# KiCad board corne-light.kicad_pcb (continued)
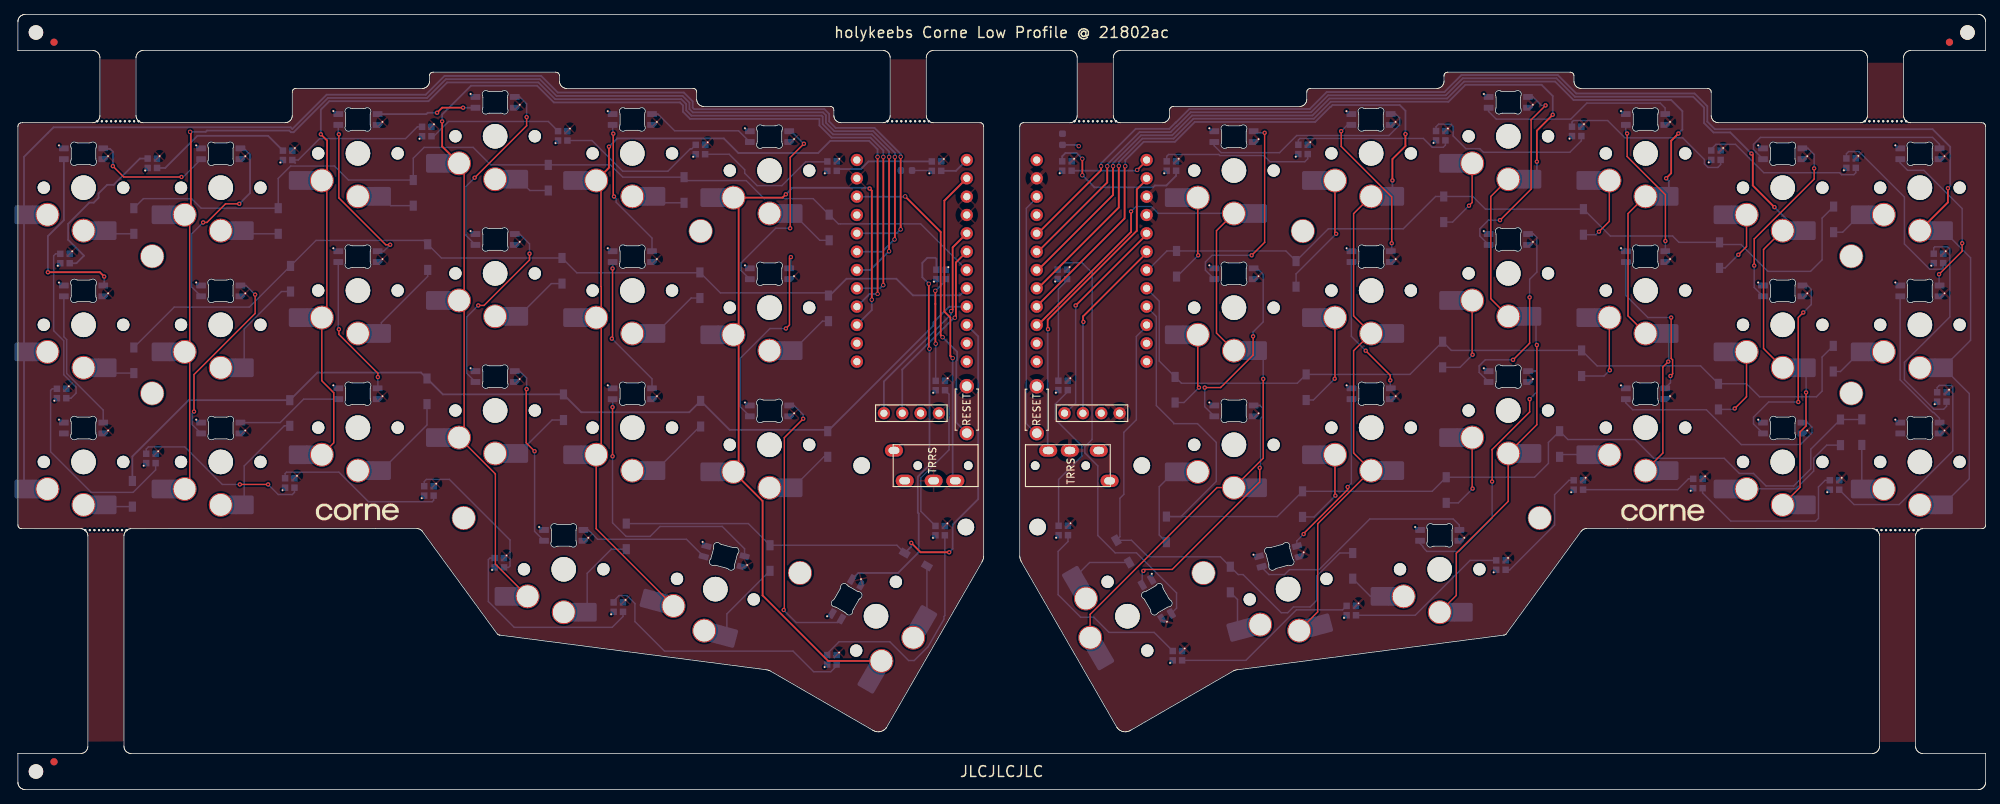
[diagram p0: board, top side]
## Nets (continued)
Net-(D1-A): D1.2 SW1.2
Net-(D2-A): D2.2 SW2.2
Net-(D3-A): D3.2 SW3.2
Net-(D4-A): D4.2 SW4.2
Net-(D5-A): D5.2 SW5.2
Net-(D6-A): D6.2 SW6.2
Net-(D7-A): D7.2 SW7.2
Net-(D8-A): D8.2 SW8.2
Net-(D9-A): D9.2 SW9.2
Net-(D10-A): D10.2 SW10.2
Net-(D11-A): D11.2 SW11.2
Net-(D12-A): D12.2 SW12.2
Net-(D13-A): D13.2 SW13.2
Net-(D14-A): D14.2 SW14.2
Net-(D15-A): D15.2 SW15.2
Net-(D16-A): D16.2 SW16.2
Net-(D17-A): D17.2 SW17.2
Net-(D18-A): D18.2 SW18.2
Net-(D19-A): D19.2 SW19.2
Net-(D20-A): D20.2 SW20.2
Net-(D21-A): D21.2 SW21.2
Net-(D22-A): D22.2 SW22.2
Net-(D23-A): D23.2 SW23.2
Net-(D24-A): D24.2 SW24.2
Net-(D25-A): D25.2 SW25.2
Net-(D26-A): D26.2 SW26.2
Net-(D27-A): D27.2 SW27.2
Net-(D28-A): D28.2 SW28.2
Net-(D29-A): D29.2 SW29.2
Net-(D30-A): D30.2 SW30.2
Net-(D31-A): D31.2 SW31.2
Net-(D32-A): D32.2 SW32.2
Net-(D33-A): D33.2 SW33.2
Net-(D34-A): D34.2 SW34.2
Net-(D35-A): D35.2 SW35.2
Net-(D36-A): D36.2 SW36.2
Net-(D37-A): D37.2 SW37.2
Net-(D38-A): D38.2 SW38.2
Net-(D39-A): D39.2 SW39.2
Net-(D40-A): D40.2 SW40.2
Net-(D41-A): D41.2 SW41.2
Net-(D42-A): D42.2 SW42.2
Net-(L1-DIN): L1.3 L2.2
Net-(L1-DOUT): L1.2 L7.3
Net-(L2-DIN): L2.3 L8.2
Net-(L3-DIN): L3.3 L4.2
Net-(L3-DOUT): L3.2 L9.3
Net-(L5-DIN): L5.3 L6.2
Net-(L10-DIN): L10.3 L16.2
Net-(L10-DOUT): L4.3 L10.2
Net-(L11-DIN): L5.2 L11.3
Net-(L11-DOUT): L11.2 L17.3
Net-(L12-DIN): L12.3 L18.2
Net-(L12-DOUT): L6.3 L12.2
Net-(L13-DIN): L7.2 L13.3
Net-(L14-DIN): L14.3 L15.2
Net-(L14-DOUT): L8.3 L14.2
Net-(L15-DIN): L9.2 L15.3
Net-(L16-DIN): L16.3 L19.2
Net-(L17-DOUT): L17.2 L20.3
Net-(L18-DIN): L18.3 L21.2
Net-(L19-DIN): L19.3 L20.2
Net-(L28-DIN): L28.3 L29.2
Net-(L28-DOUT): L28.2 L34.3
Net-(L29-DIN): L29.3 L35.2
Net-(L30-DIN): L30.3 L31.2
Net-(L30-DOUT): L30.2 L36.3
Net-(L31-DIN): L31.3 L37.2
Net-(L32-DIN): L32.3 L33.2
Net-(L32-DOUT): L32.2 L38.3
Net-(L33-DIN): L33.3 L39.2
Net-(L34-DOUT): L34.2 L40.3
Net-(L35-DIN): L35.3 L41.2
Net-(L36-DOUT): L36.2 L42.3
Net-(L37-DIN): L37.3 L43.2
Net-(L38-DOUT): L38.2 L44.3
Net-(L39-DIN): L39.3 L45.2
Net-(L41-DIN): L41.3 L42.2
Net-(L43-DIN): L43.3 L46.2
Net-(L44-DOUT): L44.2 L47.3
Net-(L45-DIN): L45.3 L48.2
Net-(L46-DIN): L46.3 L47.2

Pads without a net: J1 A; J6 A; L13 2; L40 2; U1 11 12 13 14 24; U2 11 12 13 14 24

## Via types
v1: diameter 0.6, hole 0.3, Top to Bottom, 98 vias
v2: diameter 0.6, hole 0.4, Top to Bottom, 30 vias

## Routing (per net, layer and track width the routed paths; a pad name or vN(x,y) marks a point on that pad's centre or on a via; arc(x,y) is an arc through that point)
VCC: length 2.8
  Bottom w0.2: C1.1 126.52,85.78 BACKLED1.2
VDD: length 2.3
  Bottom w0.25: C2.1 146.73,89.33 v2(146.91,89.15)
col0: length 194.6
  Top w0.25: v2(122.25,77.62) v2(122.25,87.68)
  Bottom w0.25: SW13.1 SW7.1 SW1.1 0.84,87.67 4.93,91.76 37.77,91.76 38,91.53 42.75,96.28 56.48,96.28 59.08,98.88 72.46,98.88 74.76,96.58 92.22,96.58 93.45,95.35 93.45,94.48 93.65,94.28 111.69,94.28 112.35,93.62 112.35,92.58 113.25,91.68 118.63,91.68 122.25,88.06 v2(122.25,87.68) ; v2(122.25,77.62) 121.7,77.07 U1.20
col0_r: length 198.9
  Top w0.25: v1(267.28,83.32) 267.28,81.36 263.39,77.47 ; 141.16,76.97 150.01,85.82 v2(150.01,86.37)
  Bottom w0.2: 266.64,77.47 270.42,73.69 270.42,62.25 266.64,58.47 270.24,54.87 270.24,43.07 266.64,39.47
  Bottom w0.25: v1(267.28,83.32) 267.6,83.64 267.6,89.06 265.16,91.5 235.01,91.5 233.96,92.55 233.96,94.69 232.2,96.45 215.81,96.45 213.26,99 199.91,99 197.56,96.65 181.26,96.65 178.91,94.3 162.24,94.3 160.35,92.41 160.32,92.41 159.46,91.55 154.81,91.55 150.01,86.75 v2(150.01,86.37)
col1: length 173.9
  Top w0.2: SW14.1 23.79,42.35 23.79,59.95 SW8.1 23.79,61.35 23.79,78.95 SW2.1
  Top w0.25: v2(23.85,91.14) 23.95,91.04 23.95,80.51 ; v2(121.4,76.23) 121.45,76.28 121.45,87.65 v2(121.45,87.65)
  Bottom w0.25: v2(121.45,87.65) 121.45,88.22 118.45,91.23 113.07,91.23 111.9,92.39 111.9,93.43 111.5,93.83 93.47,93.83 93,94.29 93,95.17 92.06,96.11 74.59,96.11 72.27,98.43 59.27,98.43 56.67,95.83 42.94,95.83 38.19,91.08 37.82,91.08 37.58,91.31 26.18,91.31 26.01,91.14 v2(23.85,91.14) ; v2(121.4,76.23) 119.71,74.53 U1.19
col1_r: length 171.9
  Top w0.2: 244.39,77.47 241.75,74.83 241.75,61.11 244.39,58.47 ; 244.39,39.47 246.81,41.88 246.81,49.55 247.64,50.38 v1(247.64,55.02)
  Top w0.25: v1(243.26,80.7) 240.26,83.7 240.26,87.94 v1(240.07,88.13) ; v2(150.86,86.37) 150.86,84.13 141.16,74.43
  Bottom w0.2: v1(247.64,55.02) 247.64,58.47
  Bottom w0.25: v1(240.07,88.13) 237.15,91.05 234.82,91.05 233.51,92.36 233.51,94.5 232.01,96 215.62,96 213.07,98.55 200.1,98.55 197.75,96.2 181.45,96.2 179.1,93.85 162.42,93.85 160.54,91.96 160.51,91.96 159.65,91.1 155.35,91.1 150.86,86.62 v2(150.86,86.37) ; v1(243.26,80.7) 246.49,77.47 247.64,77.47
col2: length 155.1
  Top w0.2: SW3.1 42.79,83.7 42.79,66.1 SW9.1 42.09,56.64 43.74,54.99 43.74,48.05 SW15.1
  Top w0.25: v1(41.95,90.8) 42.81,89.93 42.81,85.12 SW3.1 ; v2(120.64,74.59) 120.65,74.6 120.65,87.65 v2(120.65,87.65)
  Bottom w0.25: v2(120.65,87.65) 120.65,88.39 118.26,90.78 112.88,90.78 111.45,92.21 111.45,93.24 111.32,93.38 93.28,93.38 92.55,94.11 92.55,94.98 91.87,95.66 74.41,95.66 72.09,97.98 59.45,97.98 56.85,95.38 43.12,95.38 41.95,94.21 v1(41.95,90.8) ; v2(120.64,74.59) 118.05,71.99 U1.18
col2_r: length 159.5
  Top w0.2: 225.39,63.22 222.98,65.63 222.98,79.81 225.39,82.22 ; v1(228.56,59.3) 227.81,58.55 227.81,46.63 225.39,44.22
  Top w0.25: v1(228.26,84.7) 228.96,85.4 228.96,89.9 v1(229.96,90.9) ; 141.16,71.89 151.66,82.39 151.66,86.37 v2(151.66,86.37)
  Bottom w0.2: v1(228.56,59.3) 228.64,59.38 228.64,63.22
  Bottom w0.25: v1(229.96,90.9) 230.51,91.45 230.51,94 228.96,95.55 215.44,95.55 212.89,98.1 200.28,98.1 197.93,95.75 181.63,95.75 179.28,93.4 162.61,93.4 159.86,90.65 155.53,90.65 151.66,86.78 v2(151.66,86.37) ; 228.64,82.22 228.64,84.32 v1(228.26,84.7) ; 141.16,71.89 141.16,72.66
col3: length 162.8
  Top w0.2: SW4.1 61.79,86.07 61.79,68.47 SW10.1 61.79,67.07 61.79,49.47 SW16.1 66.12,43.74 66.12,31.24 SW19.1
  Top w0.25: v2(119.84,69.89) 119.85,69.9 119.85,87.65 v2(119.85,87.65) ; v1(58.75,92.58) 58.75,89.11 SW4.1
  Bottom w0.25: v2(119.84,69.89) 119.4,69.45 U1.17 ; v2(119.85,87.65) 119.85,88.55 118.07,90.33 112.69,90.33 111,92.02 111,92.93 93.09,92.93 92.1,93.92 92.1,94.79 91.68,95.21 74.22,95.21 71.9,97.53 62.75,97.53 58.75,93.53 v1(58.75,92.58)
col3_r: length 168
  Top w0.2: 196.89,24.59 199.2,26.9 199.2,32.74 206.39,39.94 206.39,46.59 210.36,50.56 v1(210.36,61.6) ; 206.39,65.59 203.98,68.01 203.98,82.18 206.39,84.59
  Top w0.25: v1(210.36,87) 210.36,91.3 v1(212.56,93.5) ; 141.16,69.35 152.46,80.65 152.46,86.41 v2(152.46,86.41)
  Bottom w0.2: v1(210.36,61.6) 210.24,61.72 210.24,64.99 209.64,65.59
  Bottom w0.25: v2(152.46,86.41) 152.46,86.94 155.72,90.2 160.05,90.2 162.8,92.95 179.47,92.95 181.82,95.3 198.12,95.3 200.47,97.65 211.01,97.65 212.56,96.1 v1(212.56,93.5) ; v1(210.36,87) 210.36,85.31 209.64,84.59
col4: length 133.3
  Top w0.2: SW20.1 80.09,36.14 SW17.1 80.79,47.1 80.79,64.7 SW11.1 80.79,66.1 80.79,69.64 80.75,69.68 80.75,83.73 SW5.1
  Top w0.25: SW5.1 81.85,86.16 v1(81.85,89.08) ; v2(119.05,68.68) 119.05,87.65 v2(119.05,87.65)
  Bottom w0.25: v1(81.85,89.08) 82.99,90.22 97.75,90.22 99.77,88.2 110.83,88.2 112.51,89.88 117.89,89.88 119.05,88.72 v2(119.05,87.65) ; v2(119.05,68.68) 117.95,68.68 U1.16
col4_r: length 148.7
  Top w0.2: 187.39,82.22 184.98,79.81 184.98,65.63 187.39,63.22 184.98,60.81 184.98,46.63 187.39,44.22 180.01,36.83 180.01,24.62 177.43,22.05
  Top w0.25: v2(153.36,86.37) 153.26,86.27 153.26,79.13 141.16,67.04 141.16,66.81 ; v1(192.16,90.82) 192.16,89.17 190.36,87.37 v1(190.36,84.4)
  Bottom w0.25: v2(153.36,86.37) 153.36,87.21 155.9,89.75 160.23,89.75 162.98,92.5 179.65,92.5 181.75,94.6 181.81,94.6 182.06,94.85 191.36,94.85 192.16,94.05 v1(192.16,90.82) ; 190.64,82.22 190.36,82.5 v1(190.36,84.4)
col5: length 117.6
  Top w0.25: v2(118.25,67.88) 118.25,82.98 v1(117.95,83.28) ; v1(106.35,82.48) 105.89,82.02 SW6.1 99.81,81.3 99.81,63.75 SW12.1 99.81,62.3 99.81,44.75 SW18.1 103.13,39.98 103.13,26.9 112.22,17.82 SW21.1
  Bottom w0.25: v1(117.95,83.28) 117.85,83.38 107.25,83.38 v1(106.35,82.48) ; v2(118.25,67.88) 118.25,66.44 U1.15
col5_r: length 108.5
  Top w0.2: 148.49,21.07 148.49,24.27 166.06,41.84 168.39,41.84 172.46,45.91 v1(172.46,56.9) ; 168.39,60.84 165.99,63.25 165.99,77.44 168.39,79.84
  Top w0.25: v1(154.16,80.1) 154.16,77.27 141.16,64.27
  Bottom w0.2: v1(172.46,56.9) 172.46,60.02 171.64,60.84 ; v1(154.16,80.1) 154.86,80.8 156.96,80.8 157.92,79.84 168.39,79.84
data: length 43.9
  Top w0.25: U1.2 128.3,81.59 128.3,66.23 129.13,65.4 129.13,60.1 v2(129.45,59.78)
  Bottom w0.25: J1.B 129.45,43.15 v2(129.45,59.78) 129.41,59.74
data_r: length 43.5
  Top w0.25: 156.38,84.59 154.95,83.16 154.95,77.42 142.62,65.09 142.62,63.84 v1(142.66,63.8)
  Bottom w0.25: v1(142.66,63.8) 142.62,63.76 142.62,46.87
LED: length 4.2
  Bottom w0.25: BACKLED1.1 129.9,85.73 U1.1
LED_CONT: length 55.9
  Top w0.25: v2(126.24,61.09) 126.15,61.18 v2(126.15,70.08)
  Bottom w0.25: L21.3 116.39,30.01 121.88,30.01 124.75,32.88 124.75,38.25 124.63,38.37 124.63,43.35 126.24,44.97 v2(126.24,61.09) ; v2(126.15,70.08) 125.25,70.98 125.25,72.98 125.95,73.68 127.05,73.68 127.2,73.53 BACKLED18.3
LED_r: length 11
  Top w0.25: 156.38,87.13 156.29,87.13 v2(155.01,85.85)
  Bottom w0.25: v2(155.01,85.85) 154.9,85.75 BACKLEDr1.1
LEDr_CONT: length 60.8
  Bottom w0.2: 159.73,24.41 160.46,25.14 160.46,27.25 154.9,32.8 151.96,32.8 149.56,35.2 149.56,44.84 147.76,46.64 147.76,47.5 148.76,48.5 148.76,71.6 147.36,73 144.75,73 144,72.25 BACKLEDr18.3
reset: length 43.1
  Top w0.25: v2(128.05,62.68) 127.8,62.93 127.8,77.25 v2(122.88,82.18)
  Bottom w0.25: v2(128.05,62.68) 130.08,60.65 130.08,59.52 129.95,59.4 129.95,50.85 RSW1.1 ; U1.22 122.85,82.15 v2(122.88,82.18)
reset_r: length 34
  Bottom w0.2: 141.08,49.27 139.66,50.7 139.66,80.55 141.16,82.05
row0: length 132.8
  Bottom w0.2: D1.1 17.38,81.88 24.05,81.88 25.38,80.55 D2.1 36.05,84.68 37.77,86.4 43.84,86.4 45.78,84.45 D3.1 54.75,87.48 56.25,88.98 63.05,88.98 65.48,86.55 D4.1 82.03,86.55 82.05,86.58 83.78,84.85 92.25,84.85 92.73,84.38 100.85,84.38 103.35,81.88 110.13,81.88 113.63,78.38 125.02,78.38 U1.7
row0_r: length 111.9
  Bottom w0.2: 156.38,71.89 159.12,74.63 D27.1 175.61,74.63 D26.1 181.48,77.7 191.86,77.7 196.33,82.18 D25.1 201.48,82.18 203.26,80.4 203.28,80.43 D24.1 220.53,76.7 229.16,76.7 230.03,75.83 D23.1 235.97,75.52 238.64,75.52 242.36,71.8 248.26,71.8 249.86,73.4 249.86,79.18 D22.1
row1: length 126.8
  Bottom w0.2: D12.1 111.89,68.82 97.29,68.82 D11.1 94.4,71.6 77.41,71.6 D10.1 58.65,73.65 D9.1 56.22,76.09 41.29,76.09 D8.1 32.05,66.85 21.65,66.85 16.05,61.25
  Bottom w0.25: 112.43,68.45 114.75,70.78 121.65,70.78 123.95,68.48 130.43,68.48 U1.8
row1_r: length 116.5
  Bottom w0.2: D28.1 249.86,59.93 249.86,55.2 249.08,54.42 241.2,54.42 239.39,56.23 D29.1 233.03,58.7 218.71,58.7 D30.1 198.51,60.85 D31.1 192.78,57.53 D32.1 177.18,56.3 161.13,56.3 D33.1 158.06,59.38 158.06,67.68 156.38,69.35
row2: length 135.8
  Bottom w0.25: U1.9 128.99,66.91 126.8,64.73 126.8,64.3 D18.1 111.96,49.85 98.56,49.85 D17.1 92.98,52.28 78.03,52.28 D16.1 58.85,54.75 D15.1 55.83,57.78 41.48,57.78 D14.1 23.65,53.95 15.85,46.16 D13.1
row2_r: length 150.4
  Bottom w0.2: 156.38,66.81 157.66,65.54 157.66,53.2 160.06,50.8 160.06,50.7 163.36,50.7 165.96,48.1 165.96,42.7 161.08,37.83 D39.1 174.41,37.83 D38.1 195.86,41.33 D37.1 210.03,43.28 211.96,45.2 211.96,48.1 D36.1 214.66,48.5 223.96,48.5 226.56,45.9 236.3,45.9 238.4,43.8 240.36,43.8 242.09,42.07 245.93,42.07 248.29,44.44 248.29,47.16 D35.1 255.33,51.28 D34.1
row3: length 81.7
  Top w0.25: v1(128.97,32.88) 125.02,32.88 v1(123.72,34.18)
  Bottom w0.2: D21.1 121.73,33.85 104.15,33.85 101.15,36.85 84.25,36.85
  Bottom w0.25: D21.1 123.72,33.67 v1(123.72,34.18) ; U1.10 132.99,62.79 132.99,40.25 129.45,36.71 129.45,33.36 v1(128.97,32.88)
row3_r: length 73.8
  Bottom w0.2: 156.38,64.27 154.89,62.78 154.89,51.23 153.16,49.5 153.16,40.9 152.62,40.36 152.62,35.03 D42.1 154.22,34.54 156.51,32.25 166.53,32.25 D41.1 168.99,29.79 169.67,29.79 174.96,24.5 175.85,24.5 176.65,25.3 178.96,25.3 179.86,26.2 179.86,29.57 183.07,32.78 D40.1
SCL: length 26.1
  Top w0.25: v2(129.75,65.38) 129.9,65.53 129.9,73.03 U1.6
  Bottom w0.25: J2.2 122.47,58.2 129.65,65.38 v2(129.75,65.38)
SCL_r: length 26.1
  Top w0.25: 156.38,74.43 147.51,65.55 147.51,64.85 v1(147.56,64.8)
  Bottom w0.25: v1(147.56,64.8) 147.51,64.75 147.51,52.03
SDA: length 29.7
  Top w0.25: v2(129.24,66.29) 129.45,66.5 129.45,75.12 U1.5
  Bottom w0.25: v2(129.24,66.29) 129.24,65.86 119.93,56.54 J2.1
SDA_r: length 29.7
  Top w0.25: v1(146.49,67.07) 156.38,76.97
  Bottom w0.2: 144.97,52.03 146.49,53.55 v1(146.49,67.07)
Net-(BACKLED1-DOUT): length 13.7
  Bottom w0.25: BACKLED2.1 113.65,85.98 116.75,85.98 117.8,87.03 BACKLED1.3
Net-(BACKLED2-DOUT): length 20.4
  Bottom w0.2: BACKLED3.1 98.5,88.03 100.65,85.88 100.65,85.41 102.38,83.68 105.8,83.68 109.09,86.97 112.04,86.97 BACKLED2.3
Net-(BACKLED3-DOUT): length 21
  Bottom w0.2: BACKLED4.1 79.5,89.93 83.75,85.68 90.02,85.68 93.12,88.78 93.32,88.78 BACKLED3.3
Net-(BACKLED4-DOUT): length 18.9
  Bottom w0.2: BACKLED4.3 73.46,92.57 59.64,92.57 57.6,90.53 BACKLED5.1
Net-(BACKLED5-DOUT): length 20.5
  Bottom w0.2: BACKLED6.1 38.82,87.23 41.79,90.2 53.69,90.2 55.32,91.83 BACKLED5.3
  Bottom w0.25: 38.41,86.82 BACKLED6.1
Net-(BACKLED6-DOUT): length 20.1
  Bottom w0.25: BACKLED7.1 20.4,86.13 24.85,90.58 34.65,90.58 BACKLED6.3
Net-(BACKLED7-DOUT): length 22.8
  Bottom w0.25: BACKLED7.3 16.89,87.43 13.25,83.79 12.36,83.79 11.16,82.59 11.16,81.99 10.49,81.32 9.89,81.32 6.95,78.38 6.95,76.18 9.15,73.98 8.1,72.93 BACKLED8.1
Net-(BACKLED8-DOUT): length 23
  Bottom w0.2: BACKLED8.3 5.22,74.23 4.95,73.96 4.95,63.58 6.35,62.18 6.35,57.48 8.05,55.78 8.05,54.93 7.35,54.23 BACKLED9.1
Net-(BACKLED10-DIN): length 28.6
  Bottom w0.2: BACKLED9.3 4.75,55.53 4.53,55.3 4.53,46.8 10.15,41.18 15.95,41.18 19.07,44.3 BACKLED10.1
Net-(BACKLED10-DOUT): length 24.8
  Top w0.2: v1(30.73,42.28) v1(34.65,42.28)
  Bottom w0.2: BACKLED10.3 17.77,47.18 18.07,47.48 23.11,47.48 28.31,42.28 v1(30.73,42.28) ; BACKLED11.1 38.3,41.18 38,40.88 36.05,40.88 v1(34.65,42.28)
Net-(BACKLED11-DOUT): length 23.7
  Bottom w0.2: BACKLED11.3 37,43.78 37.2,43.98 44.45,43.98 48.55,39.88 57.37,39.88 57.57,40.08 BACKLED12.1
Net-(BACKLED12-DOUT): length 20.6
  Bottom w0.2: BACKLED13.1 67.95,30.78 68.15,30.98 68.15,34.58 59.75,42.98 56.57,42.98 56.27,42.68 BACKLED12.3
Net-(BACKLED13-DOUT): length 28.2
  Bottom w0.2: BACKLED14.1 83.8,23.98 82.3,22.48 68.73,22.48 65.15,26.06 65.15,31.86 65.37,32.08 BACKLED13.3
Net-(BACKLED14-DOUT): length 37.7
  Bottom w0.2: BACKLED15.1 113.37,17.13 112.57,16.33 110.2,16.33 107.35,19.18 89.55,19.18 85.45,23.28 85.45,25.78 84.35,26.88 83.25,26.88 82.5,26.13 BACKLED14.3
Net-(BACKLED15-DOUT): length 32.8
  Bottom w0.2: BACKLED16.1 128.37,24.1 128.25,23.98 128.25,23.62 126.04,19.78 124.14,17.88 123.35,17.88 120.75,20.48 113.72,20.48 112.07,18.83 BACKLED15.3
Net-(BACKLED16-DOUT): length 21.5
  Bottom w0.2: BACKLED16.3 125.05,38.55 125.05,43.18 128.95,47.08 128.95,54.78 BACKLED17.1
Net-(BACKLED17-DOUT): length 14.7
  Top w0.25: v2(127.05,69.1) 127.05,67.29 127.06,67.28 127.06,61.83 v2(127.1,61.78)
  Bottom w0.2: BACKLED17.3 v2(127.1,61.78)
  Bottom w0.25: BACKLED18.1 128.5,70.55 v2(127.05,69.1)
Net-(BACKLEDr1-DOUT): length 21.3
  Top w0.25: v2(147.41,85.12) v2(147.41,87.4)
  Bottom w0.25: v2(147.41,87.4) 146.61,88.2 145.08,88.2 144.63,87.75 BACKLEDr1.3 ; v2(147.41,85.12) 149.09,83.44 157.2,83.44 157.46,83.7 159.05,83.7 160.4,85.05 BACKLEDr2.1
Net-(BACKLEDr2-DOUT): length 21.6
  Bottom w0.2: BACKLEDr3.1 178.63,87.4 178.22,86.99 173.4,86.99 172.54,87.85 166.47,87.85 166.31,88 159.36,88 159.1,87.74 BACKLEDr2.3
Net-(BACKLEDr3-DOUT): length 22.4
  Bottom w0.2: BACKLEDr4.1 197.7,89.3 197.4,89 195.86,89 194.64,90.22 177.55,90.22 177.33,90 BACKLEDr3.3
Net-(BACKLEDr4-DOUT): length 24.6
  Bottom w0.2: BACKLEDr4.3 196.4,91.84 196.76,92.2 198.46,92.2 198.76,91.9 198.76,90.57 200.53,88.8 202.46,88.8 202.96,88.3 214.93,88.3 216.53,89.9 BACKLEDr5.1
Net-(BACKLEDr5-DOUT): length 25.4
  Bottom w0.2: BACKLEDr5.3 215.23,92.5 215.43,92.7 220.16,92.7 222.56,90.3 230.56,90.3 233.56,87.3 233.56,86.7 234.06,86.2 235.41,86.2 235.81,86.6 BACKLEDr6.1 236.01,87.25
Net-(BACKLEDr6-DOUT): length 23
  Bottom w0.2: BACKLEDr7.1 254.53,85.47 254.26,85.2 252.56,85.2 252.29,85.47 241.79,85.47 237.86,89.4 235.16,89.4 234.51,88.75 BACKLEDr6.3
Net-(BACKLEDr7-DOUT): length 25.5
  Bottom w0.2: BACKLEDr8.1 266.63,72.3 266.43,72.1 264.76,72.1 261.26,75.6 261.26,82.1 254.96,88.4 253.53,88.4 253.23,88.1 BACKLEDr7.3
Net-(BACKLEDr8-DOUT): length 32.3
  Bottom w0.2: BACKLEDr9.1 267.1,53.1 266.7,52.7 265.35,52.7 261.26,56.79 261.26,59.2 267.56,65.5 267.56,74.9 267.26,75.2 265.46,75.2 265.33,75.07 BACKLEDr8.3
Net-(BACKLEDr10-DIN): length 31.6
  Bottom w0.2: BACKLEDr9.3 265.8,55.7 266.1,56 267.76,56 267.96,55.8 267.96,46.92 260.53,39.49 254.29,39.49 BACKLEDr10.1
Net-(BACKLEDr10-DOUT): length 24.8
  Bottom w0.2: BACKLEDr10.3 250.28,42.85 249.36,41.93 249.36,37.59 248.97,37.2 237.21,37.2 233.31,41.1 BACKLEDr11.1
Net-(BACKLEDr11-DOUT): length 15.9
  Bottom w0.2: BACKLEDr11.3 231.36,43.05 229.86,41.55 BACKLEDr12.1
Net-(BACKLEDr12-DOUT): length 17
  Bottom w0.2: BACKLEDr12.3 214.81,42.85 212.81,40.86 212.81,36.66 206.61,30.45 BACKLEDr13.1
Net-(BACKLEDr13-DOUT): length 22.6
  Bottom w0.2: BACKLEDr14.1 193.51,24.15 201.11,31.75 BACKLEDr13.3
Net-(BACKLEDr14-DOUT): length 25.9
  Bottom w0.2: BACKLEDr14.3 183.46,24.9 177.06,24.9 170.06,17.9 BACKLEDr15.1
Net-(BACKLEDr15-DOUT): length 27.9
  Bottom w0.2: BACKLEDr15.3 157.35,21.78 151.1,21.78 149,23.88 147.18,23.88 144.06,27 144.06,33 145.43,34.37 BACKLEDr16.1
Net-(BACKLEDr16-DOUT): length 22.4
  Bottom w0.2: BACKLEDr17.1 145.4,55.15 143.66,53.41 143.66,51.3 147.36,47.6 147.36,46.2 144.13,42.97 BACKLEDr16.3
Net-(BACKLEDr17-DOUT): length 14.6
  Bottom w0.2: BACKLEDr17.3 144.1,69.35 145.3,70.55 BACKLEDr18.1
Net-(D1-A): length 3.9
  Bottom w0.2: SW1.2 12.78,77 16.05,77
Net-(D2-A): length 4.9
  Bottom w0.2: 36.05,77 31.78,77 SW2.2
Net-(D3-A): length 5
  Bottom w0.2: SW3.2 51.63,80.9 D3.2
Net-(D4-A): length 4.8
  Bottom w0.2: 73.45,83 70.9,83 SW4.2
Net-(D5-A): length 4.3
  Bottom w0.2: SW5.2 89.23,81.3 D5.2
Net-(D6-A): length 6.6
  Bottom w0.2: D6.2 111.05,76.1 SW6.2
Net-(D7-A): length 4
  Bottom w0.2: SW7.2 13.08,57.7 16.05,57.7
Net-(D8-A): length 13.9
  Bottom w0.2: D8.2 36.5,69 31.33,63.84 SW8.2
Net-(D9-A): length 11.5
  Bottom w0.2: D9.2 56.75,71.1 50.33,64.69 SW9.2
Net-(D10-A): length 7.9
  Bottom w0.2: SW10.2 73.87,70.1 D10.2
Net-(D11-A): length 8.2
  Bottom w0.2: SW11.2 93.24,68.1 D11.2
Net-(D12-A): length 6.6
  Bottom w0.2: SW12.2 111.42,64.9 D12.2
Net-(D13-A): length 3.6
  Bottom w0.2: 15.85,39.2 12.58,39.2 SW13.2
Net-(D14-A): length 14
  Bottom w0.2: SW14.2 31.33,44.84 36.9,50.4 D14.2
Net-(D15-A): length 11.8
  Bottom w0.2: D15.2 56.65,50.51 SW15.2
Net-(D16-A): length 8.1
  Bottom w0.2: SW16.2 73.97,51.2 D16.2
Net-(D17-A): length 8.7
  Bottom w0.2: SW17.2 94.44,50.3 D17.2
Net-(D18-A): length 6.6
  Bottom w0.2: D18.2 111.62,46.1 SW18.2
Net-(D19-A): length 12.2
  Bottom w0.2: D19.2 82.18,33.3 78.83,29.96 SW19.2
Net-(D20-A): length 11.6
  Bottom w0.2: SW20.2 98.18,24.34 D20.2
Net-(D21-A): length 7.2
  Bottom w0.2: SW21.2 125.89,24.13 D21.2
Net-(D22-A): length 4.7
  Bottom w0.2: 255.15,79.67 252.71,77.23 D22.2
Net-(D23-A): length 9.4
  Top w0.2: 239.39,79.67 239.39,75.24 v1(238.26,74.1)
  Bottom w0.2: D23.2 236.43,72.28 v1(238.26,74.1)
Net-(D24-A): length 10
  Top w0.2: 220.39,84.42 220.39,78.74 v1(218.96,77.3)
  Bottom w0.2: D24.2 218.53,76.88 v1(218.96,77.3)
Net-(D25-A): length 10.5
  Top w0.2: v1(200.96,80.9) 201.39,81.34 201.39,86.79
  Bottom w0.2: v1(200.96,80.9) 198.68,78.63 D25.2
Net-(D26-A): length 17.1
  Top w0.2: 182.39,84.42 182.39,77.17 v1(182.56,77)
  Bottom w0.2: v1(182.56,77) 177.01,71.45 D26.2
Net-(D27-A): length 13
  Top w0.2: 163.39,82.04 163.39,74.09 v1(163.46,74.03)
  Bottom w0.2: v1(163.46,74.03) 160.51,71.08 D27.2 ; 160.15,82.04 159.66,81.55
Net-(D28-A): length 4.9
  Bottom w0.2: 255.15,60.67 252.41,57.93 D28.2
Net-(D29-A): length 10.8
  Top w0.2: v1(237.76,52.8) 239.39,54.44 239.39,60.67
  Bottom w0.2: v1(237.76,52.8) 237.63,52.68 D29.2
Net-(D30-A): length 11.6
  Top w0.2: v1(220.46,58.1) 220.39,58.17 220.39,65.42
  Bottom w0.2: v1(220.46,58.1) 219.66,57.3 D30.2
Net-(D31-A): length 12.4
  Top w0.2: 201.39,67.79 201.39,60.32 v1(201.46,60.25)
  Bottom w0.2: v1(201.46,60.25) 199.71,58.5 D31.2
Net-(D32-A): length 13.7
  Top w0.2: v1(182.36,56.93) 182.39,56.96 182.39,65.42
  Bottom w0.2: D32.2 179.41,53.98 v1(182.36,56.93)
Net-(D33-A): length 11.6
  Top w0.2: v1(163.56,55.7) 163.39,55.87 163.39,63.04
  Bottom w0.2: v1(163.56,55.7) 161.48,53.63 D33.2
Net-(D34-A): length 6.2
  Bottom w0.2: D34.2 255.36,41.88 255.15,41.67
Net-(D35-A): length 16.6
  Bottom w0.2: 239.39,41.67 246.23,41.67 248.69,44.14 248.69,45.92 250.5,47.73 D35.2
Net-(D36-A): length 3.8
  Bottom w0.2: 217.15,46.42 213.83,46.42 D36.2
Net-(D37-A): length 11.6
  Top w0.2: v1(201.46,41.7) 201.39,41.77 201.39,48.79
  Bottom w0.2: D37.2 199.48,39.73 v1(201.46,41.7)
Net-(D38-A): length 11.5
  Top w0.2: v1(182.46,40.73) 182.39,40.79 182.39,46.42
  Bottom w0.2: D38.2 179.51,37.78 v1(182.46,40.73)
Net-(D39-A): length 11
  Bottom w0.2: D39.2 158.06,35.28 158.06,41.95 160.15,44.04
Net-(D40-A): length 4.8
  Bottom w0.2: D40.2 187.29,26.79 188.65,26.79
Net-(D41-A): length 5.7
  Bottom w0.2: 168.9,22.04 168.9,26.33 D41.2
Net-(D42-A): length 8.5
  Bottom w0.2: 146.27,29.31 148.43,31.46 D42.2
Net-(L1-DIN): length 17.4
  Top w0.2: v1(13.15,86.38) 14.65,84.88 v1(22.65,84.88)
  Bottom w0.2: v1(22.65,84.88) 22.9,84.88 L2.2
  Bottom w0.25: v1(13.15,86.38) 13.15,88.38 12.75,88.78 11.88,88.78 L1.3
Net-(L1-DOUT): length 25.9
  Top w0.25: v1(11.95,71.08) 11.35,71.68 v1(4.15,71.68)
  Bottom w0.25: L7.3 11.95,69.98 v1(11.95,71.08) ; L1.2 6.36,78.89 4.15,76.68 v1(4.15,71.68)
Net-(L2-DIN): length 26.6
  Top w0.2: v1(30.65,81.15) 28.75,81.15 26.17,78.58 v1(25.65,78.58)
  Bottom w0.2: v1(25.65,78.58) 24.05,76.98 24.05,69.66 L8.2
  Bottom w0.25: L2.3 31.29,88.85 32.15,87.98 32.15,82.65 v1(30.65,81.15)
Net-(L3-DIN): length 13.9
  Top w0.25: v1(61.65,94.48) 58.75,94.48 v1(58.05,93.78)
  Bottom w0.25: v1(61.65,94.48) 61.66,94.47 L4.2 ; v1(58.05,93.78) 56.75,93.78 56.57,93.6 L3.3
Net-(L3-DOUT): length 22
  Top w0.2: v1(44.45,90.8) 44.45,81.98 50.94,75.49 v1(51.55,75.49)
  Bottom w0.2: v1(51.55,75.49) 50.66,74.6 L9.3 ; L3.2 44.36,90.88 v1(44.45,90.8)
Net-(L5-DIN): length 15.2
  Bottom w0.2: L6.2 99.81,91.28 90.95,91.28 88.64,93.6 L5.3
Net-(L10-DIN): length 26.3
  Top w0.2: v1(70.85,74.25) 70.85,73.38 64.55,67.08 v1(63.75,67.08)
  Bottom w0.2: v1(70.85,74.25) 70.85,75.61 69.49,76.97 L10.3 ; v1(63.75,67.08) 62.15,65.48 62.15,57.68 L16.2
Net-(L10-DOUT): length 25.6
  Top w0.2: v1(70.45,93.17) 70.45,91.98 v1(63.25,84.78)
  Bottom w0.2: L4.3 69.49,95.97 70.45,95.01 v1(70.45,93.17) ; L10.2 62.05,76.78 62.05,83.58 v1(63.25,84.78)
Net-(L11-DIN): length 19.8
  Top w0.2: v1(82.55,82.18) 82.45,82.28 v1(82.45,90.88)
  Bottom w0.2: v1(82.55,82.18) 82.85,81.88 82.85,81.38 87.81,76.42 L11.3 ; v1(82.45,90.88) 82.36,90.97 L5.2
Net-(L11-DOUT): length 19.9
  Top w0.2: v1(82.25,62.48) 82.35,62.58 v1(82.35,72.2)
  Bottom w0.2: v1(82.35,72.2) 82.36,72.21 L11.2 ; L17.3 87.81,56.92 v1(82.25,62.48)
Net-(L12-DIN): length 28.4
  Top w0.2: v1(107.05,73.78) 106.85,73.58 106.85,64.38 v1(106.35,63.88)
  Bottom w0.2: L12.3 107.05,72.46 v1(107.05,73.78) ; L18.2 100.05,53.03 100.05,59.78 104.15,63.88 v1(106.35,63.88)
Net-(L12-DOUT): length 26.8
  Top w0.2: v1(106.95,77.78) 106.95,87.58 v1(108.85,89.48)
  Bottom w0.2: v1(108.85,89.48) 107.11,91.22 L6.3 ; L12.2 100.15,71.93 100.15,72.98 104.95,77.78 v1(106.95,77.78)
Net-(L13-DIN): length 19.8
  Bottom w0.2: L13.3 11.81,52.58 6.75,57.65 6.75,62.35 6.36,62.73 L7.2
Net-(L14-DIN): length 14.9
  Bottom w0.2: L15.2 39.57,54.1 36.32,50.85 L14.3
Net-(L14-DOUT): length 25.9
  Top w0.2: v1(24.39,52.38) 24.39,57.5 32.85,65.97 v1(32.85,68.58)
  Bottom w0.2: L14.2 24.15,50.56 24.15,52.14 v1(24.39,52.38) ; v1(32.85,68.58) 31.59,69.85 L8.3
Net-(L15-DIN): length 19.8
  Top w0.2: v1(49.85,57.15) 49.85,57.68 44.45,63.08 v1(44.45,63.78)
  Bottom w0.2: L15.3 49.85,55.63 v1(49.85,57.15) ; L9.2 44.36,63.87 v1(44.45,63.78)
Net-(L16-DIN): length 25.6
  Top w0.2: v1(70.45,55.48) 70.39,55.42 70.39,48.04 v1(71.55,46.88)
  Bottom w0.2: L16.3 69.49,57.97 70.45,57.01 v1(70.45,55.48) ; v1(71.55,46.88) 71.55,35.78 L19.2
Net-(L17-DOUT): length 39.1
  Top w0.2: v1(82.35,52.98) v1(82.35,46.18)
  Bottom w0.2: L20.3 100.63,33.37 97.54,36.45 88.93,36.45 87.55,35.08 84.23,35.08 82.35,36.95 v1(82.35,46.18) ; v1(82.35,52.98) 82.36,52.99 L17.2
Net-(L18-DIN): length 39.6
  Top w0.2: v1(106.05,24.88) 106.14,24.97 106.14,48.77 v1(108.75,51.38)
  Bottom w0.2: L18.3 107.49,53.22 108.75,51.96 v1(108.75,51.38) ; L21.2 113.56,23.14 107.79,23.14 v1(106.05,24.88)
Net-(L19-DIN): length 18.2
  Bottom w0.2: L19.3 78.99,35.97 80.28,34.68 92.59,34.68 L20.2
Net-(L28-DIN): length 29.7
  Bottom w0.2: 241.67,87.37 240.67,88.37 240.67,88.38 240.36,88.69 240.36,89.4 241.32,90.36 265.16,90.36 266.12,89.4 266.12,88.87
Net-(L28-DOUT): length 23.7
  Top w0.2: v1(269.26,75.7) 269.26,74.6 v1(266.06,71.4)
  Bottom w0.2: 260.67,87.37 260.67,86.83 261.7,85.8 263.96,85.8 269.26,80.5 v1(269.26,75.7) ; v1(266.06,71.4) 266.06,69.93 266.12,69.87
Net-(L29-DIN): length 25.6
  Top w0.2: v1(240.46,72.6) 240.46,76.29 248.76,84.59 v1(248.76,86.07)
  Bottom w0.2: v1(248.76,86.07) 248.76,88 247.89,88.87 247.12,88.87 ; 241.67,68.37 240.46,69.58 v1(240.46,72.6)
Net-(L30-DIN): length 27.4
  Bottom w0.2: 228.12,93.62 228.12,94.44 227.45,95.11 217.28,95.11 215.06,92.9 204.73,92.9 203.67,93.96 203.67,94.49
Net-(L30-DOUT): length 19.8
  Top w0.2: v1(228.16,76) 228.16,82.41 222.86,87.71 v1(222.86,90.9)
  Bottom w0.2: 228.12,74.62 228.16,74.66 v1(228.16,76) ; 222.67,92.12 222.67,91.09 v1(222.86,90.9)
Net-(L31-DIN): length 27.4
  Top w0.2: v1(211.56,94.8) 209.56,92.8 209.56,83.2 v1(205.26,78.9)
  Bottom w0.2: 209.12,95.99 209.79,95.99 210.99,94.8 v1(211.56,94.8) ; 203.67,75.49 202.46,76.7 202.46,77.7 203.66,78.9 v1(205.26,78.9)
Net-(L32-DIN): length 30.6
  Bottom w0.2: 165.67,89.74 165.67,89.21 166.63,88.25 174.73,88.25 177.1,90.62 189.88,90.62 191.36,92.1 191.36,93.05 190.79,93.62 190.12,93.62
Net-(L32-DOUT): length 21.3
  Top w0.2: v1(190.26,75.7) 190.26,82.11 183.26,89.11 v1(183.26,91.22)
  Bottom w0.2: v1(183.26,91.22) 184.15,92.12 184.67,92.12 ; v1(190.26,75.7) 190.26,74.76 190.12,74.62
Net-(L33-DIN): length 29
  Top w0.2: v1(170.86,74.03) 172.66,75.83 v1(172.66,91)
  Bottom w0.2: 165.67,70.74 164.46,71.95 164.46,73.1 165.38,74.03 v1(170.86,74.03) ; 171.12,91.24 171.36,91 v1(172.66,91)
Net-(L34-DOUT): length 19.8
  Bottom w0.2: 266.12,50.87 266.12,51.44 265.31,52.25 265.19,52.25 260.67,56.77 260.67,68.37
Net-(L35-DIN): length 27.7
  Top w0.2: v1(246.56,53.7) 246.56,65.4 v1(247.26,66.1)
  Bottom w0.2: v1(247.26,66.1) 248.36,67.2 248.36,69.3 247.79,69.87 247.12,69.87 ; v1(246.56,53.7) 242.46,53.7 240.36,51.6 240.36,50.68 241.67,49.37
Net-(L36-DOUT): length 22.5
  Top w0.2: v1(228.86,57.3) 229.16,57.6 229.16,59.55 228.96,59.75 v1(228.96,65.4)
  Bottom w0.2: 228.12,55.62 228.86,56.36 v1(228.86,57.3) ; 222.67,73.12 222.67,68.47 225.74,65.4 v1(228.96,65.4)
Net-(L37-DIN): length 27.6
  Top w0.2: v1(209.36,68.2) 209.36,61.84 v1(207.06,59.54)
  Bottom w0.2: 209.12,76.99 209.87,76.99 210.36,76.5 210.36,71.7 209.36,70.7 v1(209.36,68.2) ; 203.67,56.49 202.36,57.8 202.36,58.7 203.2,59.54 v1(207.06,59.54)
Net-(L38-DOUT): length 19.8
  Top w0.2: v1(190.06,56.7) 190.06,57.4 v1(186.66,60.8)
  Bottom w0.2: v1(186.66,60.8) 184.67,62.79 184.67,73.12 ; 190.12,55.62 190.06,55.68 v1(190.06,56.7)
Net-(L39-DIN): length 26.5
  Top w0.2: v1(171.06,62.8) 171.06,60.21 166.55,55.7 v1(164.36,55.7)
  Bottom w0.2: v1(164.36,55.7) 164.36,53.05 165.67,51.74 ; v1(171.06,62.8) 171.06,63.4 172.46,64.8 172.46,71.4 171.62,72.24 171.12,72.24
